# Altium PCB Copy of BGA_ACUity.PcbDoc (part 4 of 5) (continued)
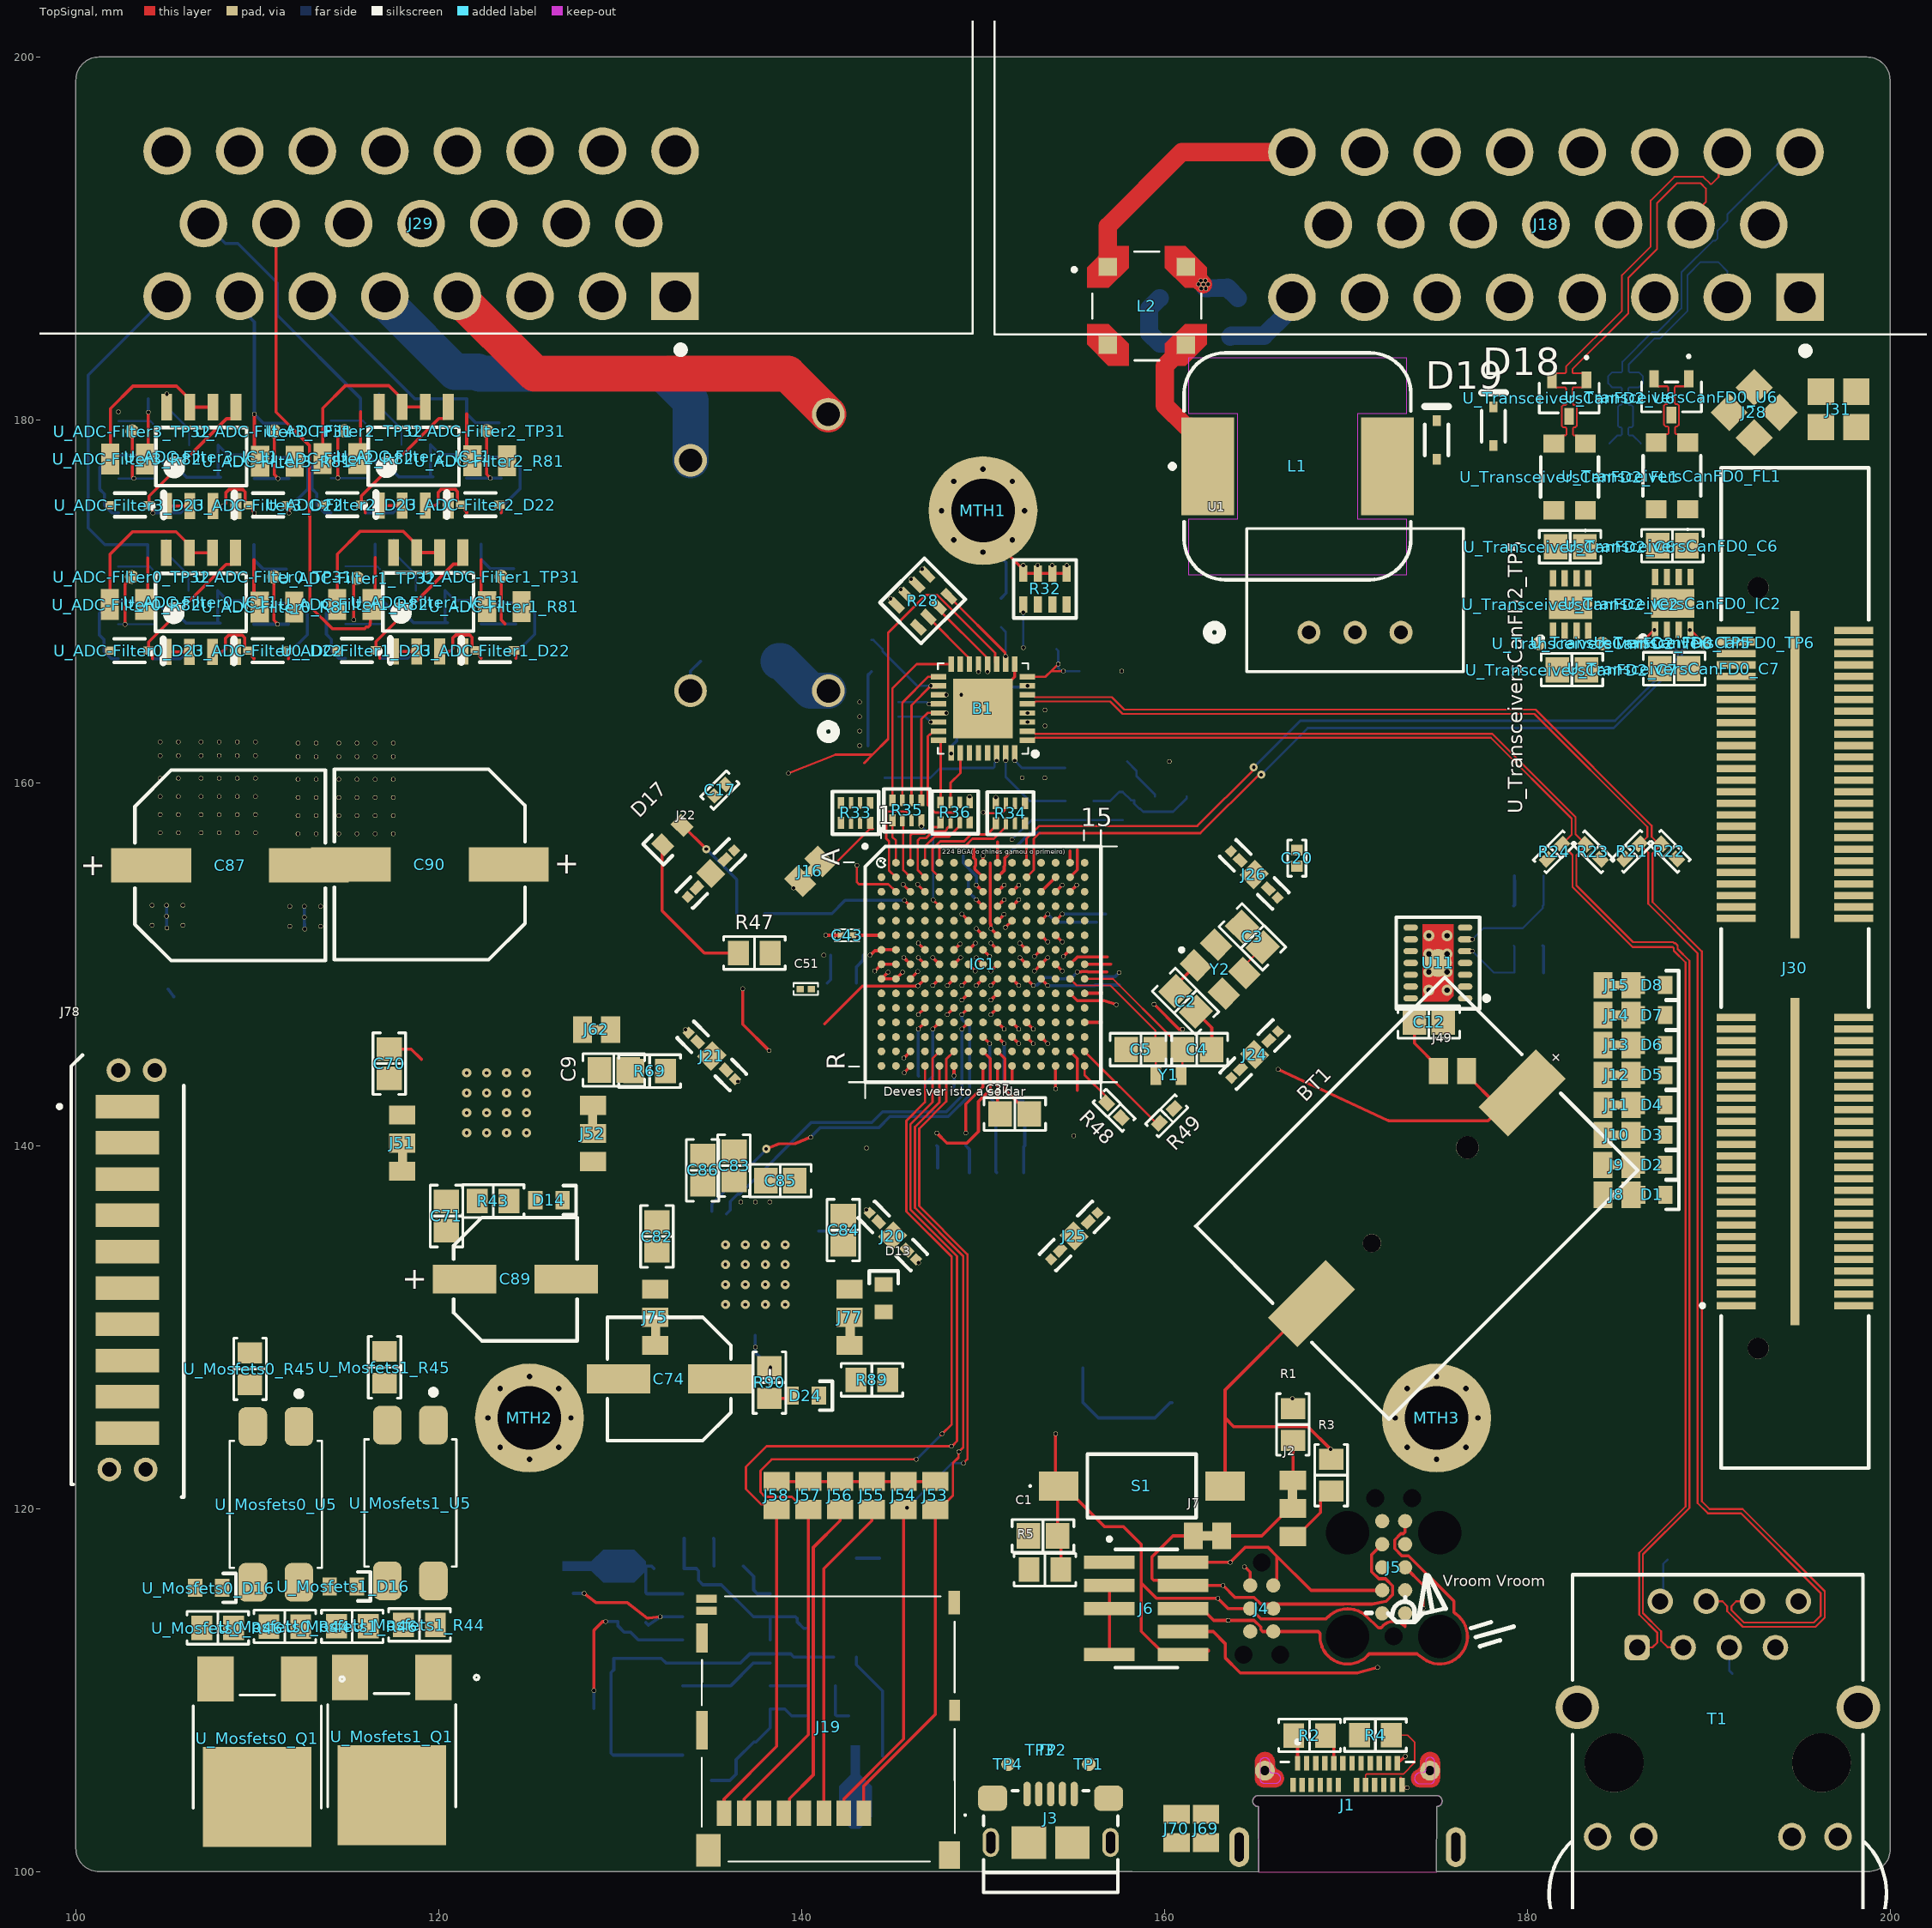
[diagram p0: TopSignal view]
## Nets (pads, with @x,y where several pads share a name; then routed paths per layer and width w, separated by ;. In a path a pad name is that pad's centre, name@x,y a point inside that pad or via, vN(x,y) a via of type N, cw(c..) or ccw(c..) an arc to the next point about the centre after c; other vN are vias at no path point) (continued)
  BottomSignal w0.096: U_TransceiversCanFD1_FL1.3@186.256,178.699 185.804,179.151 185.621,179.151 185.565,179.207 185.565,179.533 185.621,179.589 185.742,179.589 185.829,179.676 185.829,180.733 185.742,180.821 185.621,180.821 185.565,180.877 185.565,181.738 185.621,181.794 186.152,181.794 186.368,182.01 U_TransceiversCanFD1_U6.2@186.368,182.213 186.368,182.416 186.152,182.632 185.646,182.632 185.59,182.688 185.59,183.065 187.021,184.496 187.321,184.496 188.837,186.012 188.837,187.987 189.55,188.7 190.525,188.7 191.028,188.197 J18.2@191.028,186.762
CAN_H2: J18.17 U_TransceiversCanFD2_FL1.3 U_TransceiversCanFD2_U6.2 | length 23.5
  TopSignal w0.096: U_TransceiversCanFD2_FL1.3@181.47,178.698 181.922,179.15 182.105,179.15 182.161,179.206 182.161,179.532 182.105,179.588 181.984,179.588 181.897,179.675 181.897,180.733 181.984,180.82 182.105,180.82 182.161,180.876 182.161,181.12 182.136,181.145 182.136,181.737 182.08,181.793 181.574,181.793 181.358,182.01 U_TransceiversCanFD2_U6.2@181.358,182.212 181.358,182.349 181.574,182.566 182.08,182.566 182.136,182.622 182.136,182.937 185.219,186.019 185.219,187.977 186.802,189.561 186.802,192.094 188.106,193.398 189.694,193.398 190.086,193.006 190.165,193.006 190.544,193.385 190.544,194.278 J18.17@191.028,194.762
CAN_L0: J18.1 U_TransceiversCanFD0_FL1.2 U_TransceiversCanFD0_U6.1 | length 4.8
  TopSignal w0.096: U_TransceiversCanFD0_FL1.2@188.835,178.758 188.383,179.21 188.2,179.21 188.144,179.266 188.144,179.592 188.2,179.648 188.271,179.648 188.358,179.735 188.358,180.793 188.271,180.88 188.175,180.88 188.119,180.936 188.119,181.797 188.175,181.853 188.681,181.853 188.898,182.07 U_TransceiversCanFD0_U6.1@188.898,182.272
CAN_L1: J18.16 U_TransceiversCanFD1_FL1.2 U_TransceiversCanFD1_U6.1 | length 22.6
  BottomSignal w0.096: U_TransceiversCanFD1_FL1.2@184.526,178.699 184.978,179.151 185.161,179.151 185.217,179.207 185.217,179.533 185.161,179.589 185.09,179.589 185.002,179.676 185.002,180.733 185.09,180.821 185.161,180.821 185.217,180.877 185.217,181.738 185.161,181.794 184.679,181.794 184.463,182.01 U_TransceiversCanFD1_U6.1@184.463,182.213 184.463,182.416 184.679,182.632 185.186,182.632 185.242,182.688 185.242,183.209 186.877,184.844 187.177,184.844 188.49,186.156 188.49,188.131 190.231,189.873 190.356,189.873 190.489,190.006 190.489,190.443 191.027,190.981 191.027,191.331 194.458,194.762 J18.16@195.028,194.762
CAN_L2: J18.10 U_TransceiversCanFD2_FL1.2 U_TransceiversCanFD2_U6.1 | length 22.7
  TopSignal w0.096: U_TransceiversCanFD2_FL1.2@183.2,178.698 182.748,179.15 182.565,179.15 182.509,179.206 182.509,179.532 182.565,179.588 182.636,179.588 182.723,179.675 182.723,180.733 182.636,180.82 182.565,180.82 182.509,180.876 182.509,181.264 182.484,181.289 182.484,181.737 182.54,181.793 183.046,181.793 183.263,182.01 U_TransceiversCanFD2_U6.1@183.263,182.212 183.263,182.349 183.046,182.566 182.54,182.566 182.484,182.622 182.484,182.793 185.566,185.875 185.566,187.833 187.15,189.417 187.15,191.95 188.25,193.05 189.55,193.05 189.84,192.76 189.84,192.009 189.028,191.197 J18.10@189.028,190.762
CANFD_MISO: IC1.M14 U11.11
CANFD_MOSI: IC1.L12 U11.12
CANFD_SCK: IC1.L13 U11.10
CANFD_SS: IC1.L11 U11.13
CMOS_DRIVE0_0: IC1.C10 pad.1@151.968,154.368 U2.2 | length 0.5
  TopSignal w0.171: IC1.C10@151.6,154 pad.1@151.968,154.368
CMOS_DRIVE0_1: IC1.B9 pad.1@151.498,156.177 U2.1 | length 3.7
  TopSignal w0.171: IC1.B9@150.8,154.8 151.168,155.168 151.168,155.402 151.2,155.434 151.2,155.855 pad.1@151.498,156.177
  BottomSignal w0.171: pad.1@151.498,156.177 151.518,156.177 152.567,157.226 153.103,157.226
CMOS_DRIVE0_INV: IC1.C9 pad.1@151.168,154.368 U2.7 | length 0.5
  TopSignal w0.171: IC1.C9@150.8,154 pad.1@151.168,154.368
CMOS_DRIVE0_SF: IC1.D9 pad.1@151.168,153.568 R39.1 R43.2 U2.21 | length 0.5
  TopSignal w0.171: IC1.D9@150.8,153.2 pad.1@151.168,153.568
CMOS_DRIVE0_SLEW: IC1.D10 pad.1@151.968,153.568 U2.3 | length 0.5
  TopSignal w0.171: IC1.D10@151.6,153.2 pad.1@151.968,153.568
CMOS_DRIVE1_0: IC1.L7 pad.1@140.506,140.471 pad.1@148.832,147.232 U16.2 | length 22.2
  TopSignal w0.171: v4(138.049,139.827) 138.728,140.106 ; 138.729,140.106 139.65,140.119 pad.1@140.506,140.471 ; pad.1@148.832,147.232 IC1.L7@149.2,147.6
  BottomSignal w0.171: U16.2@135.05,136.4 135.05,136.789 138.049,139.788 v4(138.049,139.827) ; pad.1@140.506,140.471 141.04,141.005 144.27,141.005 144.871,141.605 148.086,141.605 149.267,142.786 149.267,146.612 149.012,146.867 148.932,146.867 148.832,146.967 pad.1@148.832,147.232
CMOS_DRIVE1_1: IC1.L6 pad.1@148.032,147.232 U16.1 | length 0.5
  TopSignal w0.171: pad.1@148.032,147.232 IC1.L6@148.4,147.6
CMOS_DRIVE1_INV: IC1.M5 pad.1@147.232,146.432 U16.7 | length 3.9
  TopSignal w0.171: pad.1@147.232,146.432 IC1.M5@147.6,146.8
  BottomSignal w0.171: 146.8,143.2 146.8,143.402 147.232,143.834 pad.1@147.232,146.432
CMOS_DRIVE1_SF: pad.1@137.45,128.9 pad.1@138.279,127.783 R89.1 R90.2 U16.21 | length 2
  BottomSignal w0.171: U16.21@137.45,129.55 137.45,128.6 pad.1@138.225,127.825
CMOS_DRIVE1_SLEW: IC1.M7 pad.1@148.832,146.432 U16.3 | length 20.2
  TopSignal w0.171: pad.1@148.832,146.432 IC1.M7@149.2,146.8
  BottomSignal w0.171: U16.3@135.85,136.25 136.065,136.465 136.065,136.93 136.47,137.335 136.585,137.335 140.527,141.277 143.868,141.277 144.468,141.877 147.973,141.877 148.839,142.743 148.839,143.942 148.832,143.949 pad.1@148.832,146.432
CompOUT: D15.2 IC10.1 IC10.5 K1.1 | length 3.4
  BottomSignal w2: D15.2@138.725,166.7 138.875,166.7 140.5,165.075 K1.1@141.475,165.075
DAC0: IC1.P7 J30.13
GND_SENSED0: IC5.10 R53.2 U_Mosfets0_Q1.3
GND_SENSED1: IC7.10 R41.2 U_Mosfets1_Q1.3
GND_SENSED2: IC8.10 R54.2 U_Mosfets2_Q1.3
GND_SENSED3: IC9.10 R55.2 U_Mosfets3_Q1.3
GPIO_0: IC1.P14 J30.01 | length 2.3
  TopSignal w0.171: IC1.P14@154.8,145.2 155.2,144.8 155.2,143.05
GPIO_1: IC1.R14 J30.03
GPIO_2: IC1.N12 J30.05 pad.1@153.568,145.632 | length 0.5
  TopSignal w0.171: IC1.N12@153.2,146 pad.1@153.568,145.632
I3C_SCL: IC1.R15 IC5.5 IC7.5 IC8.5 IC9.5 R48.1 TP19.P2 TP22.P2 TP27.P2 TP28.P2 | length 2.5
  TopSignal w0.131: IC1.R15@155.6,144.4 155.6,143.9 156.818,142.682 R48.1@156.818,142.357
I3C_SDA: IC1.P15 IC5.4 IC7.4 IC8.4 IC9.4 R49.2 TP18.P2 TP21.P2 TP25.P2 TP26.P2 | length 5.8
  TopSignal w0.131: IC1.P15@155.6,145.2 159.557,141.243 R49.2@159.718,141.243
IN_IRQ: IC1.K9 J29.21 J30.04 pad.1@150.432,148.032 | length 0.5
  TopSignal w0.171: pad.1@150.432,148.032 IC1.K9@150.8,148.4
IRQ0: IC1.A6 U11.9
IRQ1: IC1.E15 U11.8
IRQ2: IC1.C8 pad.1@149.632,154.368 U11.4 | length 2.4
  TopSignal w0.171: pad.1@149.632,154.368 IC1.C8@150,154
  BottomSignal w0.171: 148.903,155.979 148.903,155.596 149.632,154.867 pad.1@149.632,154.368
IRQ_NMI: IC1.B8 J30.02 | length 1.9
  TopSignal w0.171: 149.49,156.427 149.49,155.876 149.6,155.766 149.6,155.434 149.553,155.388 149.553,155.247 IC1.B8@150,154.8
JTAG_EXT_RST: IC1.A9 R7.1 | length 1.2
  TopSignal w0.171: IC1.A9@150.8,155.6 150.8,156.75
JTAG_EXT_RST_NET_2: C1.2 J4.3 J5.10 J6.10 pad.1@154,124.125 pad.1@162.943,115.057 R5.1 R7.2 S1.1 | length 38
  TopSignal w0.171: pad.1@154,124.125 154,121.41 S1.1@154.16,121.25 ; R5.1@154.291,116.637 154.291,118.314 C1.2@154.105,118.5 154.105,121.195 S1.1@154.16,121.25 ; J6.10@161.035,111.96 160.01,111.96 158.725,113.245 158.725,115.895 ; 162.43,112.16 162.43,112.2 ; J5.10@173.27,114.23 173.27,113.5 173.268,113.498 ccw(c172.635,112.96) 171.968,113.455 171.924,113.438 cw(c171.863,113.598) 171.744,113.476 171.161,114.048 ccw(c170.095,112.96) 169.018,114.037 168.901,113.92 168.834,113.92 165.31,113.92 J4.3@164.73,114.5 163.5,114.5 pad.1@162.943,115.057 159.563,115.057 158.725,115.895 ; S1.1@154.16,121.25 154.45,121.25 156.682,119.018 157.732,119.018 158.725,118.025 158.725,115.895
JTAG_EXT_TCK: IC1.E10 pad.1@151.232,152.032 R8.1 | length 0.5
  TopSignal w0.171: pad.1@151.232,152.032 IC1.E10@151.6,152.4
JTAG_EXT_TCK_NET_2: J4.4 J5.4 J6.04 J7.P1 pad.1@163.228,115.768 R8.2 | length 22.2
  TopSignal w0.171: J7.P1@161.598,118.5 160.466,118.5 159.309,117.343 159.309,116.155 159.409,116.055 160.75,116.055 J6.04@161.035,115.77 163.209,115.77 pad.1@163.228,115.768 163.23,115.77 163.887,115.113 164.938,115.113 165.31,114.74 165.635,114.74 ; J4.4@166,114.5 165.875,114.5 165.635,114.74 ; J5.4@172,118.04 171.42,117.46 171.42,116.53 171.814,116.135 172.186,116.135 172.58,115.74 172.58,115.26 172.24,114.92 172.213,114.893 171.444,114.74 170.323,114.74 ccw(c170.095,112.96) 169.867,114.74 165.635,114.74
JTAG_EXT_TDI: IC1.F8 pad.1@149.632,151.968 R10.1 | length 0.5
  TopSignal w0.171: pad.1@149.632,151.968 IC1.F8@150,151.6
JTAG_EXT_TDI_NET_2: J5.8 J6.08 pad.1@171.75,111.25 pad.1@174.25,114.5 R10.2 | length 19.3
  TopSignal w0.171: J6.08@161.035,113.23 162.686,113.23 163.345,112.571 163.345,111.789 164.139,110.996 164.188,110.946 164.33,110.946 170.629,110.955 pad.1@171.75,111.25 ; J5.8@173.27,116.77 174.25,115.79 pad.1@174.25,114.5
  Ground w0.171: pad.1@171.75,111.25 172.441,111.941 172.79,111.941 173.513,112.663 173.513,113.763 pad.1@174.25,114.5
JTAG_EXT_TMS: IC1.D8 pad.1@149.632,153.568 R9.1 | length 9.5
  TopSignal w0.171: pad.1@149.632,153.568 IC1.D8@150,153.2
  BottomSignal w0.171: 149.2,154.8 149.197,154.797 149.197,154.003 pad.1@149.632,153.568 ; 155.499,127.757 155.499,125.855 156.354,125 159.471,125 160.313,125.842 R9.1@160.413,125.842
JTAG_EXT_TMS_NET_2: J4.2 J5.2 J6.02 pad.1@163.624,117.04 R9.2 | length 14
  TopSignal w0.171: J6.02@161.035,117.04 pad.1@163.624,117.04 164.455,117.871 165.709,117.871 166.196,117.384 ; J4.2@166,115.77 166,115.937 166.195,116.132 166.195,117.023 166.196,117.384 ; J5.2@172,115.5 168.08,115.5 166.196,117.384
JTAG_TDO: IC1.F9 J4.6 J5.6 J6.06 pad.1@150.432,151.968 pad.1@163.517,113.843 R6.1 | length 32.7
  TopSignal w0.171: 150.4,155.574 150.4,152.234 150.432,152.202 pad.1@150.432,151.968 IC1.F9@150.8,151.6 ; J6.06@161.035,114.5 162.06,114.5 162.717,113.843 pad.1@163.517,113.843 164.938,113.843 165.31,113.47 165.31,113.33 165.41,113.23 J4.6@166,113.23 168.472,113.23 168.572,113.13 168.572,112.96 ccw(c170.095,112.96) 170.095,111.437 ; 168.793,112.17 ccw(c170.095,112.96) 170.095,111.437 ; J5.6@173.27,119.31 173.27,118.72 173.17,118.62 173.03,118.62 172.69,118.28 172.69,117.8 173.084,117.405 173.456,117.405 175.908,114.953 175.958,114.903 175.958,114.293 176.029,114.222 176.071,114.195 cw(c175.176,112.961) 174.278,111.73 173.912,111.996 cw(c175.382,114.014) 173.906,112 173.852,112 171.289,112 171.059,111.771 171.018,111.729 170.826,111.624 cw(c170.095,112.96) 170.095,111.437
LED0: IC1.H10 J8.P0
LED0_GREEN: J33.P1 J35.P1 R38.1 T1.12 | length 6.3
  BottomSignal w0.131: J33.P1@156.1,159 157,159 157.5,159.5 J35.P1@157.7,159.5 158.16,159.04 158.333,159.04 158.333,158.867 158.621,158.579 158.66,158.579 158.831,158.408 160.483,158.408 161.225,159.15 R38.1@161.225,159.25
LED1: IC1.H11 J9.P0 pad.1@152.032,150.368 | length 0.5
  TopSignal w0.171: pad.1@152.032,150.368 IC1.H11@152.4,150
LED1_YELLOW: J34.P1 R19.2 T1.9
LED2: IC1.J10 J10.P0 pad.1@151.968,148.832 | length 0.5
  TopSignal w0.171: IC1.J10@151.6,149.2 pad.1@151.968,148.832
LED3: IC1.J11 J11.P0 pad.1@152.768,148.832 pad.1@155.2,149.575 | length 5
  TopSignal w0.171: IC1.J11@152.4,149.2 pad.1@152.768,148.832 ; pad.1@155.2,149.575 155.409,149.575 155.434,149.6 155.766,149.6 155.791,149.575 156.835,149.575
  BottomSignal w0.171: pad.1@152.768,148.832 152.775,148.839 152.959,148.839 153.388,149.267 153.658,149.267 153.748,149.267 153.819,149.197 154.548,149.197 154.619,149.267 154.912,149.267 154.912,149.287 pad.1@155.2,149.575
LED4: IC1.J12 J12.P0 pad.1@153.568,148.832 | length 4.5
  TopSignal w0.171: IC1.J12@153.2,149.2 pad.1@153.568,148.832
  BottomSignal w0.171: pad.1@153.568,148.832 156.157,148.832 156.183,148.857 157.509,148.857 157.523,148.843
LED5: IC1.G11 J13.P0 pad.1@152.032,151.168 | length 0.5
  TopSignal w0.171: pad.1@152.032,151.168 IC1.G11@152.4,150.8
LED6: IC1.E12 J14.P0 pad.1@153.568,152.768 | length 3.4
  TopSignal w0.171: IC1.E12@153.2,152.4 pad.1@153.568,152.768
  BottomSignal w0.171: pad.1@153.568,152.768 154.011,152.325 156.25,152.325
LED7: IC1.E13 J15.P0 pad.1@154.368,152.768 | length 2.9
  TopSignal w0.171: IC1.E13@154,152.4 pad.1@154.368,152.768
  BottomSignal w0.171: pad.1@154.368,152.768 156.757,152.768
MOSFETS0: J29.18 U_Mosfets0_Q1.4
MOSFETS1: J29.10 U_Mosfets1_Q1.4
MOSFETS2: J29.19 U_Mosfets2_Q1.4
MOSFETS3: J29.11 U_Mosfets3_Q1.4
MOSFETS4: J29.20 pad.1@104.647,157.251 pad.1@104.647,158.251 pad.1@104.647,159.251 pad.1@104.647,160.251 pad.1@104.647,161.501 pad.1@104.647,162.251 pad.1@105.647,157.251 pad.1@105.647,158.251 pad.1@105.647,159.251 pad.1@105.647,160.251 pad.1@105.647,161.501 pad.1@105.647,162.251 pad.1@106.897,157.251 pad.1@106.897,158.251 pad.1@106.897,159.251 pad.1@106.897,160.251 pad.1@106.897,161.501 pad.1@106.897,162.251 pad.1@107.897,157.251 pad.1@107.897,158.251 pad.1@107.897,159.251 pad.1@107.897,160.251 pad.1@107.897,161.501 pad.1@107.897,162.251 pad.1@108.897,157.251 pad.1@108.897,158.251 pad.1@108.897,159.251 pad.1@108.897,160.251 pad.1@108.897,161.501 pad.1@108.897,162.251 pad.1@109.897,157.251 pad.1@109.897,158.251 pad.1@109.897,159.251 pad.1@109.897,160.251 pad.1@109.897,161.501 pad.1@109.897,162.251 U_Mosfets4_Q1.4 | length 57.4
  Power w2: pad.1@107.897,160.251 107.941,160.458 108.155,161.445 108.2,161.652 108.31,162.161 108.355,162.368 109.797,169.027 cw(c111.116,168.741) 109.969,169.452 112.887,174.161 ccw(c111.74,174.872) 113.027,175.278 112.428,177.178 ccw(c111.14,176.772) 112.407,177.238 111.102,180.786 ccw(c109.835,180.32) 110.422,181.536 103.982,184.644 cw(c105.031,186.818) 102.617,186.818 102.617,194.818 cw(c105.031,194.818) 105.031,197.232 113.031,197.232 cw(c113.031,194.818) 114.488,196.743 J29.20@117.031,194.818
MOSFETS5: J29.12 pad.1@112.242,157.194 pad.1@112.242,158.194 pad.1@112.242,159.194 pad.1@112.242,160.194 pad.1@112.242,161.444 pad.1@112.242,162.194 pad.1@113.242,157.194 pad.1@113.242,158.194 pad.1@113.242,159.194 pad.1@113.242,160.194 pad.1@113.242,161.444 pad.1@113.242,162.194 pad.1@114.492,157.194 pad.1@114.492,158.194 pad.1@114.492,159.194 pad.1@114.492,160.194 pad.1@114.492,161.444 pad.1@114.492,162.194 pad.1@115.492,157.194 pad.1@115.492,158.194 pad.1@115.492,159.194 pad.1@115.492,160.194 pad.1@115.492,161.444 pad.1@115.492,162.194 pad.1@116.492,157.194 pad.1@116.492,158.194 pad.1@116.492,159.194 pad.1@116.492,160.194 pad.1@116.492,161.444 pad.1@116.492,162.194 pad.1@117.492,157.194 pad.1@117.492,158.194 pad.1@117.492,159.194 pad.1@117.492,160.194 pad.1@117.492,161.444 pad.1@117.492,162.194 U_Mosfets5_Q1.4
NetB1_8: B1.8 pad.1@154.15,166.55 pad.1@154.43,166.158 R30.1 R31.2 | length 5.1
  TopSignal w0.131: B1.8@152.45,165.85 153.45,165.85 153.758,166.158 ; pad.1@154.15,166.55 153.758,166.158 ; pad.1@154.43,166.158 153.758,166.158
  BottomSignal w0.131: R30.1@154.05,167.375 154.15,167.275 pad.1@154.15,166.55 154.15,166.325 pad.1@154.318,166.157 ; pad.1@154.43,166.158 pad.1@154.318,166.157 ; R31.2@155.316,166.157 pad.1@154.43,166.158 pad.1@154.318,166.157
NetB1_31: B1.31 J33.P0 pad.1@151.25,161.225 | length 4.7
  BottomSignal w0.131: pad.1@151.25,161.225 151.25,160.325 152.575,159 J33.P0@154.55,159
NetB1_32: B1.32 J34.P0 pad.1@151.75,161.225 | length 2.9
  BottomSignal w0.131: pad.1@151.75,161.225 152.15,160.825 J34.P0@154.525,160.825
NetC19_2: C19.2 T1.2 | length 2.5
  BottomSignal w0.113: T1.2@187.325,114.89 187.492,115.057 187.492,116.957 C19.2@187.735,117.2
NetC20_2: C20.2 R23.1 R24.1
NetC21_2: C21.2 T1.5 | length 1.5
  BottomSignal w0.131: T1.5@191.135,112.35 191.135,111.08 C21.2@191.3,110.915
NetC22_2: C22.2 R21.1 R22.1
NetC26_2: C26.2 L1.1 L2.3 | length 8.3
  TopSignal w1: L2.3@161.179,184.134 161.174,184.134 160.02,182.98 160.02,180.809 161.184,179.644 161.435,179.644 162.385,178.694 L1.1@162.385,177.444
NetC27_1: C27.1 J32.P1
NetC64_1: C64.1 U3.11
NetC65_1: C65.1 U3.7
NetC66_1: C66.1 U3.10
NetC69_2: C69.2 U4.5 | length 2.6
  BottomSignal w0.171: C69.2@136.79,116.833 137.357,116.266 137.357,115.517 137.566,115.309 U4.5@138.271,115.309
NetC70_1: C70.1 U2.32 | length 2
  TopSignal w0.171: C70.1@117.275,145.325 118.482,145.325 119.04,144.767
NetC77_2: C77.2 U15.5 | length 2
  BottomSignal w0.171: U15.5@138.271,110.229 C77.2@140.259,110.229
NetC82_1: C82.1 U16.32
NetD1_A: D1.A J8.P1
NetD1_K: D1.K R11.1
NetD2_A: D2.A J9.P1
NetD2_K: D2.K R12.1
NetD3_A: D3.A J10.P1
NetD3_K: D3.K R13.1
NetD4_A: D4.A J11.P1
NetD4_K: D4.K R14.1
NetD5_A: D5.A J12.P1
NetD5_K: D5.K R15.1
NetD6_A: D6.A J13.P1
NetD6_K: D6.K R16.1
NetD7_A: D7.A J14.P1
NetD7_K: D7.K R17.1
NetD8_A: D8.A J15.P1
NetD8_K: D8.K R18.1
NetD10_1: D10.1 F1.2 | length 4
  BottomSignal w1: D10.1@159.75,186.715 159.731,186.715 159.156,186.14 159.156,184.787 159.742,184.201 160.679,184.201 F1.2@160.704,184.226
NetD10_2: D10.2 L2.4 pad.1@161.874,187.477 pad.1@162.001,187.681 pad.1@162.027,187.249 pad.1@162.145,187.468 pad.1@162.255,187.681 pad.1@162.281,187.249 pad.1@162.408,187.477 | length 3.6
  TopSignal w1: L2.4@161.179,188.434 161.967,187.646 162.005,187.608 162.094,187.519 pad.1@162.145,187.468
  BottomSignal w1: pad.1@162.145,187.468 162.21,187.362 162.213,187.357 pad.1@162.281,187.249 162.415,187.253 163.475,187.29 D10.2@164.05,186.715
NetD11_K: D11.K R37.2
NetD12_2: D12.2 IC6.1
NetD13_K: D13.K R40.1
NetD14_A: D14.A R43.1
NetD17_A: D17.A J17.P0 | length 6.1
  TopSignal w0.171: D17.A@133.429,157.667 v4(134.744,156.352)
  BottomSignal w0.171: v4(134.744,156.352) 136.425,154.67 J17.P0@136.425,152.8
NetD17_K: D17.K R47.1 | length 8.8
  TopSignal w0.171: D17.K@132.315,156.553 132.315,152.952 134.642,150.625 R47.1@136.525,150.625
NetD19_2: D19.2 U1.1
NetD24_A: D24.A R90.1 | length 1.3
  TopSignal w0.171: R90.1@138.225,126.075 139.3,126.075 D24.A@139.45,126.225
NetIC1_E9: IC1.E9 J2.P1 J7.P0 pad.1@151.155,152.756 | length 5
  TopSignal w0.171: IC1.E9@150.834,152.398 pad.1@151.155,152.756 ; J7.P0@163.148,118.5 165.366,118.5 166.881,120.015 J2.P1@167.081,120.015
NetIC1_L4: IC1.L4 J28.RX_1 J31.RX_0 pad.1@146.432,147.232 | length 0.5
  TopSignal w0.171: pad.1@146.432,147.232 IC1.L4@146.8,147.6
NetIC1_M4: IC1.M4 J28.TX_1 J31.TX_0 pad.1@146.432,146.432 | length 3.1
  TopSignal w0.171: pad.1@146.432,146.432 IC1.M4@146.8,146.8
  BottomSignal w0.171: pad.1@146.432,146.432 146.432,143.865 146.456,143.84
NetIC1_R13: IC1.R13 J16.P0 pad.1@136.756,148.654 pad.1@138.206,145.244 pad.1@139.556,154.206 pad.1@143.575,139.875 pad.1@154,143.141 | length 26
  TopSignal w0.171: pad.1@136.756,148.654 136.756,146.694 pad.1@138.206,145.244 ; pad.1@154,143.141 IC1.R13@154,144.4
  Ground w0.171: pad.1@136.756,148.654 pad.1@139.556,154.206 ; pad.1@143.575,139.875 144.824,138.723 144.873,138.678 144.943,138.678 153.434,139.019 153.523,139.108 153.53,139.167 pad.1@154,143.141
NetIC5_1: IC5.1 J63.P1
NetIC5_2: IC5.2 J64.P1
NetIC5_3: IC5.3 TP20.P2
NetIC5_8: IC5.8 J65.P0
NetIC7_1: IC7.1 J59.P1
NetIC7_2: IC7.2 J60.P1
NetIC7_3: IC7.3 TP17.P2
NetIC7_8: IC7.8 J61.P0
NetIC8_1: IC8.1 J66.P1
NetIC8_2: IC8.2 J68.P1
NetIC8_3: IC8.3 TP23.P2
NetIC8_8: IC8.8 J73.P0
NetIC9_1: IC9.1 J67.P1
NetIC9_2: IC9.2 J72.P1
NetIC9_3: IC9.3 TP24.P2
NetIC9_8: IC9.8 J74.P0
NetIC10_2: IC10.2 R76.2 R79.1
NetJ1_A5: J1.A5 R2.2 | length 1.7
  TopSignal w0.171: R2.2@168.875,107.5 169.338,107.037 J1.A5@169.338,105.976
NetJ1_B5: J1.B5 R4.1 | length 6.1
  TopSignal w0.09: J1.B5@171.088,104.776 171.088,105.313 171.162,105.387 173.18,105.387 173.787,105.994 173.787,107.137 173.406,107.518 R4.1@172.503,107.518
NetJ2_P0: J2.P0 R1.1 | length 2.2
  TopSignal w0.171: J2.P0@167.081,121.565 R1.1@167.081,123.763
NetJ2_P2: J2.P2 R3.2 | length 3.6
  TopSignal w0.171: J2.P2@167.081,118.466 167.281,118.466 168.6,119.784 168.6,120.479 169.089,120.969 R3.2@169.189,120.969
NetJ18_4: J18.4 J28.TX_0
NetJ18_12: J18.12 J28.RX_0
NetJ27_P1: J27.P1 L1.2
NetJ30_101: J30.101 J31.TX_1
NetJ30_103: J30.103 J31.RX_1
NetJ51_P1: J51.P1 U2.26
NetJ52_P1: J52.P1 U2.16
NetJ62_P1: J62.P1 U2.10
NetJ75_P1: J75.P1 pad.1@132.65,130.55 U16.26 | length 1.3
  BottomSignal w0.171: pad.1@132.65,130.55 132.671,130.55 132.721,130.5 U16.26@133.95,130.5
NetJ76_P1: J76.P1 U16.10 | length 2
  BottomSignal w0.171: U16.10@140.95,135.3 142.45,135.3 J76.P1@142.8,134.95
NetJ77_P1: J77.P1 U16.16
NetQ8_2: Q8.2 R73.1
NetQ9_3: Q9.3 Q10.2
NetQ11_1: Q11.1 Q13.3 R80.2
NetQ12_2: Q12.2 R78.1
NetR19_1: R19.1 R20.1 T1.10
NetR25_1: R25.1 R38.2 T1.11 | length 2.6
  BottomSignal w0.131: R25.1@157.95,161.175 158.46,160.665 158.46,160.365 159.475,159.35 R38.2@159.475,159.25
NetR32_8: R32.8 TP14.P2
NetR33_3: R33.3 R33.4 Y4.3
NetR42_1: R42.1 U2.8
NetR56_2: R56.2 R68.2 U3.12
NetR66_2: R66.2 R67.2 U3.6
NetR69_1: R69.1 U16.8
NetR94_2: R94.2 U17.2
NetR95_2: R95.2 U18.2
NetU3_8: U3.8 VR1.2
NetU_ADC-Filter0_C78_2: U_ADC-Filter0_C78.2 U_ADC-Filter0_D22.2 U_ADC-Filter0_IC11.3 U_ADC-Filter0_R83.2 | length 4
  TopSignal w0.171: U_ADC-Filter0_IC11.3@107.525,167.225 108.081,167.225 108.249,167.393 108.249,167.969 108.418,168.137 109.172,168.137 109.308,168.001 109.308,167.423 109.448,167.283 U_ADC-Filter0_D22.2@109.518,167.283 109.588,167.283 109.728,167.143 109.728,166.946 109.811,166.862 109.811,166.841
NetU_ADC-Filter0_C88_2: U_ADC-Filter0_C88.2 U_ADC-Filter0_D23.2 U_ADC-Filter0_IC11.5 U_ADC-Filter0_R84.1 | length 10.2
  TopSignal w0.171: 104.223,166.841 104.218,166.846 104.218,167.143 104.078,167.283 U_ADC-Filter0_D23.2@104.008,167.283 104.008,167.764 108.279,172.035 108.58,172.035 108.795,172.25 U_ADC-Filter0_IC11.5@108.795,172.675
  BottomSignal w0.171: U_ADC-Filter0_R84.1@104.223,166.841 105.762,166.841 U_ADC-Filter0_C88.2@106.128,167.207
NetU_ADC-Filter0_IC11_1: U_ADC-Filter0_IC11.1 U_ADC-Filter0_IC11.2 U_ADC-Filter0_R81.1 | length 1.3
  TopSignal w0.171: U_ADC-Filter0_IC11.1@104.985,167.225 U_ADC-Filter0_IC11.2@106.255,167.225
NetU_ADC-Filter0_IC11_6: U_ADC-Filter0_IC11.6 U_ADC-Filter0_IC11.7 U_ADC-Filter0_R82.2 | length 9.7
  TopSignal w0.171: U_ADC-Filter0_R82.2@101.883,169.83 101.883,172.596 103.122,173.835 105.52,173.835 106.255,173.1 U_ADC-Filter0_IC11.7@106.255,172.675 U_ADC-Filter0_IC11.6@107.525,172.675
NetU_ADC-Filter1_C78_2: U_ADC-Filter1_C78.2 U_ADC-Filter1_D22.2 U_ADC-Filter1_IC11.3 U_ADC-Filter1_R83.2 | length 4
  TopSignal w0.171: U_ADC-Filter1_IC11.3@120.054,167.242 120.61,167.242 120.779,167.411 120.779,167.986 120.947,168.154 121.702,168.154 121.838,168.018 121.838,167.44 121.977,167.3 U_ADC-Filter1_D22.2@122.047,167.3 122.117,167.3 122.257,167.161 122.257,166.963 122.34,166.88 122.34,166.858
NetU_ADC-Filter1_C88_2: U_ADC-Filter1_C88.2 U_ADC-Filter1_D23.2 U_ADC-Filter1_IC11.5 U_ADC-Filter1_R84.1 | length 10.2
  TopSignal w0.171: 116.752,166.858 116.747,166.864 116.747,167.161 116.607,167.3 U_ADC-Filter1_D23.2@116.537,167.3 116.537,167.781 120.809,172.053 121.11,172.053 121.324,172.267 U_ADC-Filter1_IC11.5@121.324,172.692
  BottomSignal w0.171: U_ADC-Filter1_R84.1@116.752,166.858 118.291,166.858 U_ADC-Filter1_C88.2@118.657,167.224
NetU_ADC-Filter1_IC11_1: U_ADC-Filter1_IC11.1 U_ADC-Filter1_IC11.2 U_ADC-Filter1_R81.1 | length 1.3
  TopSignal w0.171: U_ADC-Filter1_IC11.1@117.514,167.242 U_ADC-Filter1_IC11.2@118.784,167.242
NetU_ADC-Filter1_IC11_6: U_ADC-Filter1_IC11.6 U_ADC-Filter1_IC11.7 U_ADC-Filter1_R82.2 | length 9.7
  TopSignal w0.171: U_ADC-Filter1_R82.2@114.412,169.847 114.412,172.614 115.651,173.853 118.049,173.853 118.784,173.117 U_ADC-Filter1_IC11.7@118.784,172.692 U_ADC-Filter1_IC11.6@120.054,172.692
NetU_ADC-Filter2_C78_2: U_ADC-Filter2_C78.2 U_ADC-Filter2_D22.2 U_ADC-Filter2_IC11.3 U_ADC-Filter2_R83.2 | length 4
  TopSignal w0.171: U_ADC-Filter2_IC11.3@119.253,175.276 119.809,175.276 119.977,175.444 119.977,176.02 120.146,176.188 120.9,176.188 121.036,176.052 121.036,175.474 121.176,175.334 U_ADC-Filter2_D22.2@121.246,175.334 121.316,175.334 121.456,175.194 121.456,174.997 121.539,174.913 121.539,174.892
NetU_ADC-Filter2_C88_2: U_ADC-Filter2_C88.2 U_ADC-Filter2_D23.2 U_ADC-Filter2_IC11.5 U_ADC-Filter2_R84.1 | length 10.2
  TopSignal w0.171: 115.951,174.892 115.946,174.897 115.946,175.194 115.806,175.334 U_ADC-Filter2_D23.2@115.736,175.334 115.736,175.815 120.007,180.086 120.308,180.086 120.523,180.301 U_ADC-Filter2_IC11.5@120.523,180.726
  BottomSignal w0.171: U_ADC-Filter2_R84.1@115.951,174.892 117.49,174.892 U_ADC-Filter2_C88.2@117.856,175.258
NetU_ADC-Filter2_IC11_1: U_ADC-Filter2_IC11.1 U_ADC-Filter2_IC11.2 U_ADC-Filter2_R81.1 | length 1.3
  TopSignal w0.171: U_ADC-Filter2_IC11.1@116.713,175.276 U_ADC-Filter2_IC11.2@117.983,175.276
NetU_ADC-Filter2_IC11_6: U_ADC-Filter2_IC11.6 U_ADC-Filter2_IC11.7 U_ADC-Filter2_R82.2 | length 9.7
  TopSignal w0.171: U_ADC-Filter2_R82.2@113.611,177.881 113.611,180.647 114.85,181.886 117.248,181.886 117.983,181.151 U_ADC-Filter2_IC11.7@117.983,180.726 U_ADC-Filter2_IC11.6@119.253,180.726
NetU_ADC-Filter3_C78_2: pad.1@108.105,175.256 pad.1@109.835,174.872 U_ADC-Filter3_C78.2 U_ADC-Filter3_D22.2 U_ADC-Filter3_IC11.3 U_ADC-Filter3_R83.2 | length 4
  TopSignal w0.171: U_ADC-Filter3_IC11.3@107.549,175.256 pad.1@108.105,175.256 108.273,175.424 108.273,176 108.442,176.168 109.196,176.168 109.332,176.032 109.332,175.454 109.472,175.314 U_ADC-Filter3_D22.2@109.542,175.314 109.612,175.314 109.752,175.174 109.752,174.977 109.835,174.893 pad.1@109.835,174.872